# Altium PCB Van Battery Controller V1.PcbDoc (part 1 of 3) (continued)
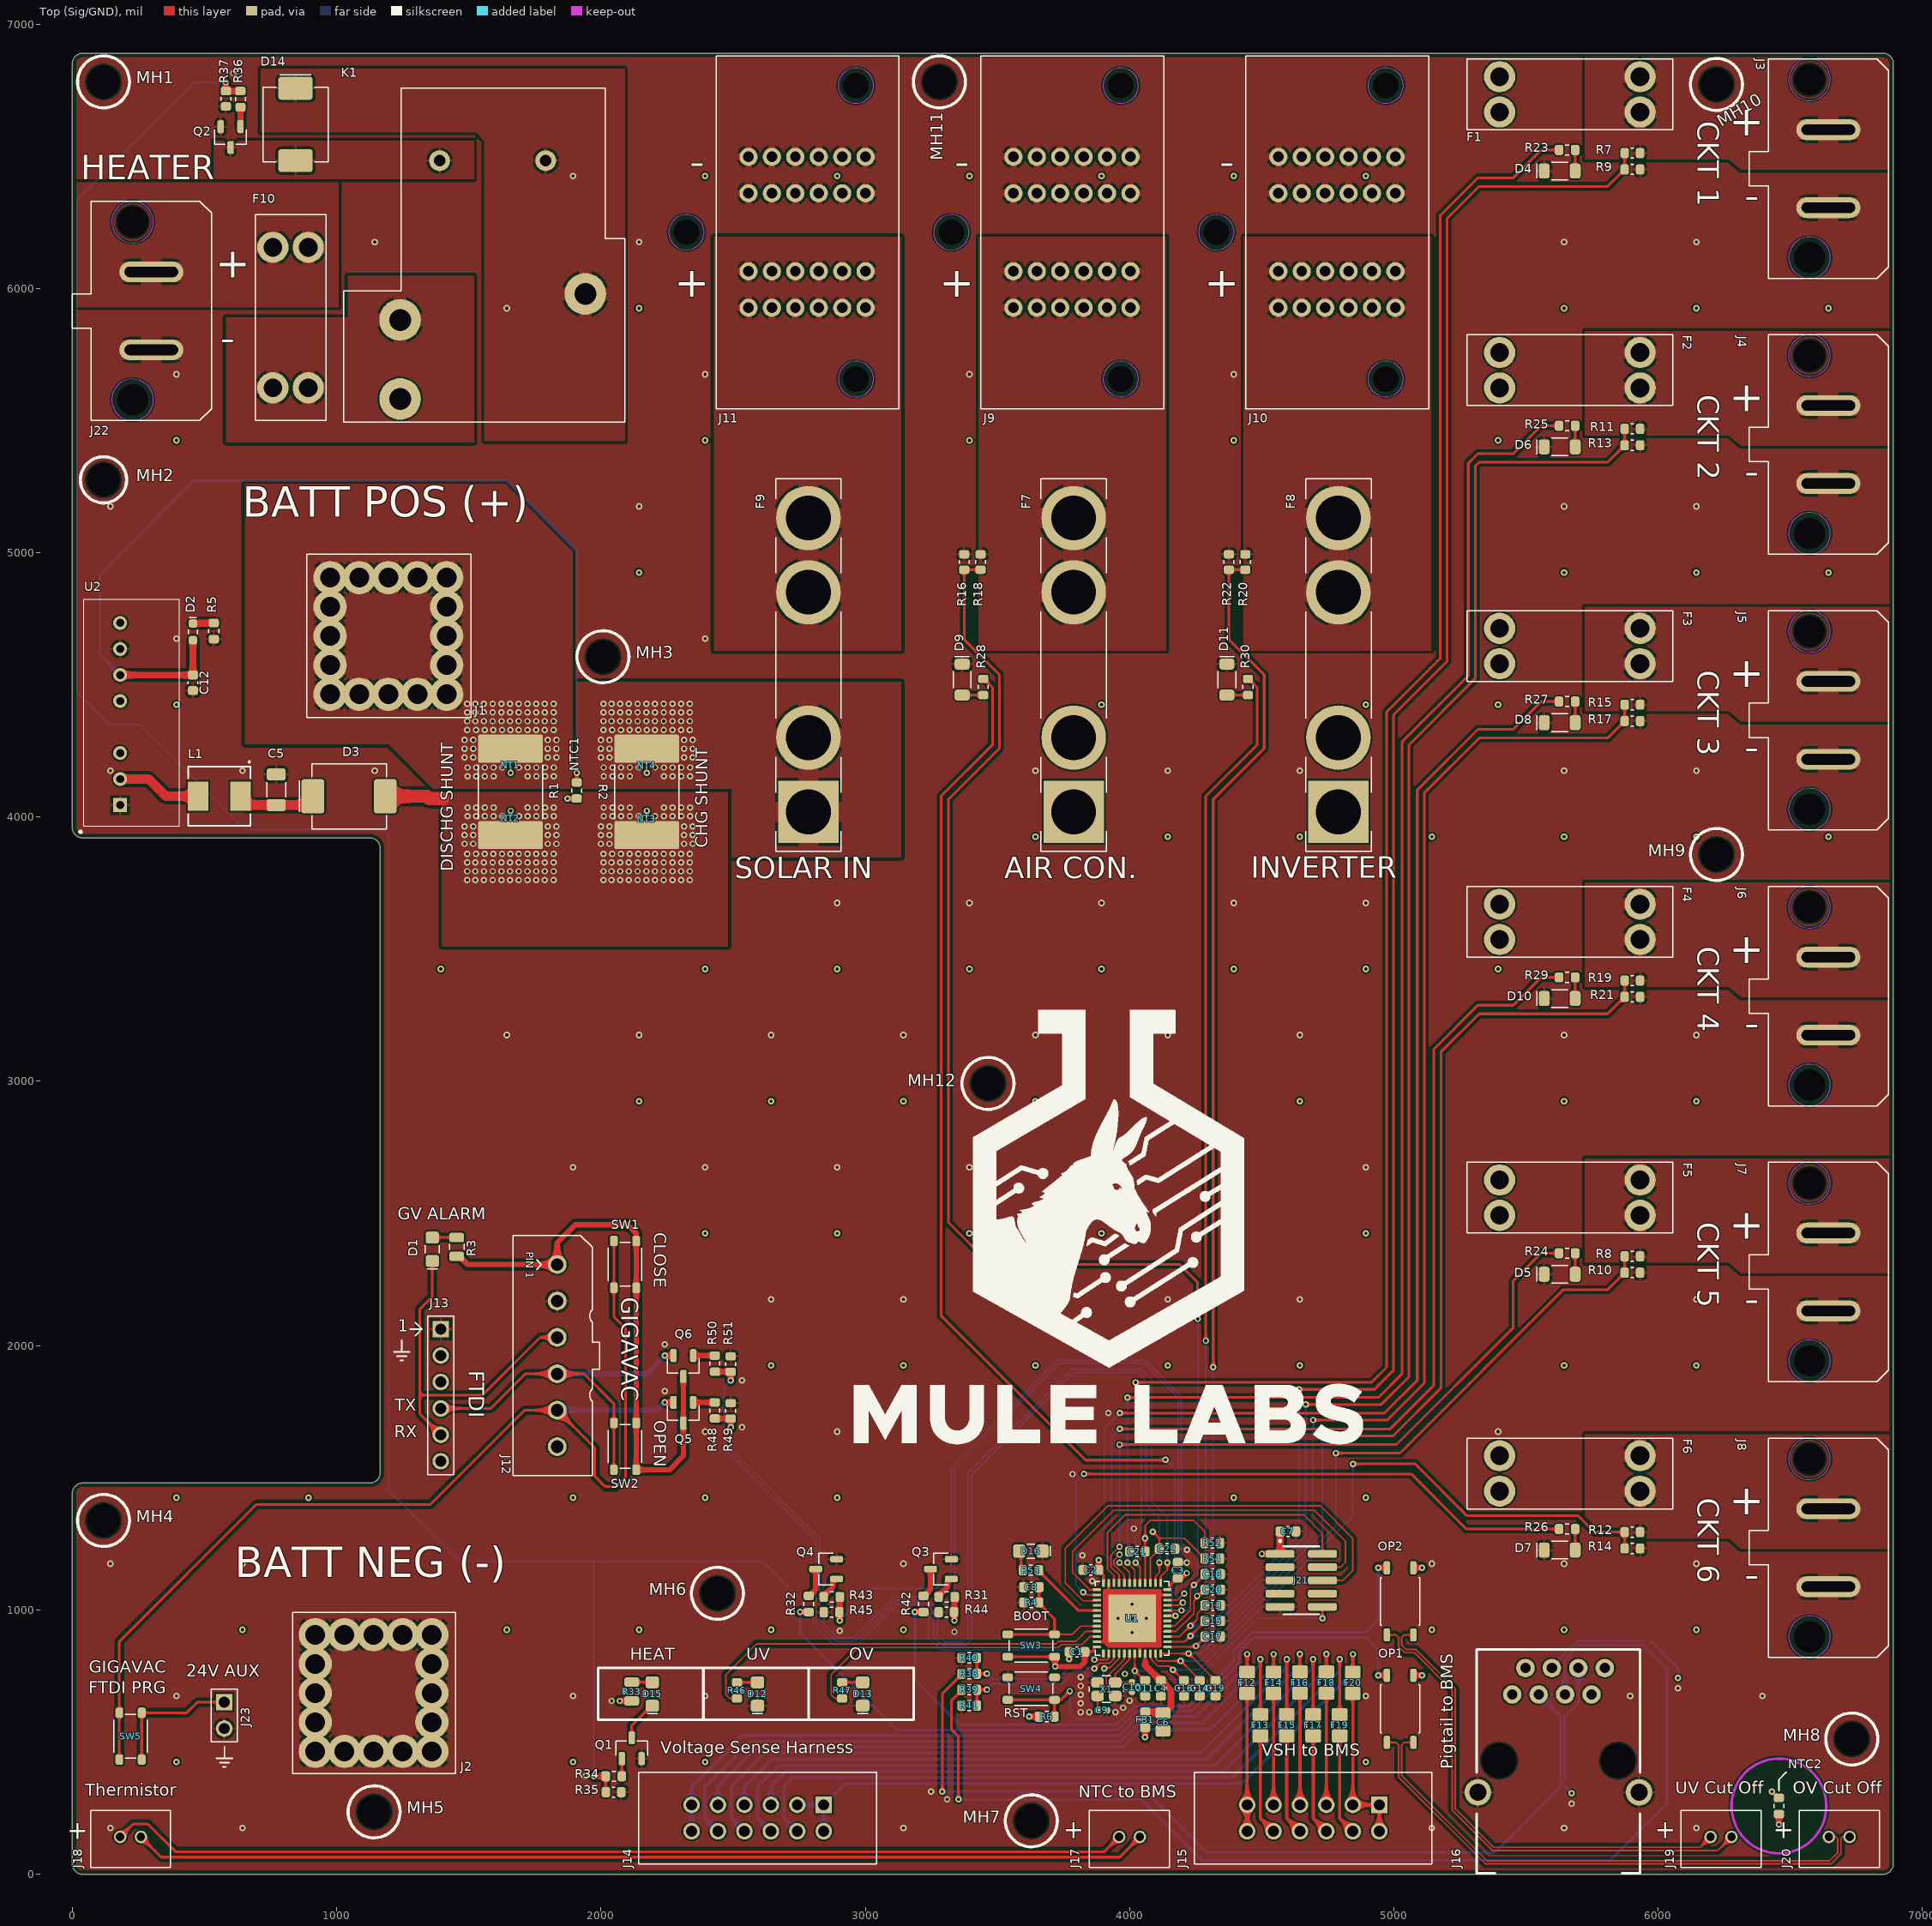
[diagram p0: Top (Sig/GND) view]
## Design rules (kind name [scope] priority, off if disabled: settings)
BoardOutlineClearance [Not OnSilkscreen] p1: gap=15 ignorepadtopadclearanceinfootprint=FALSE
Clearance Clearance_Inner [(OnLayer('Int1 (GND)')) OR  (OnLayer('Int2 (24V)')) OR  (OnLayer('Int3 (24V)')) OR  (OnLayer('Int4 (GND)')) OR  (OnLayer('Int5 (24V)')) OR  (OnLayer('Int6 (GND)'))] p1: gap=14 ignorepadtopadclearanceinfootprint=TRUE
Clearance [All] p2: gap=6 ignorepadtopadclearanceinfootprint=FALSE except(0: THPad-Hole Via-Hole Fill-Hole Region-Hole Text-Hole; 1: Arc-Arc Arc-SMDPad Arc-THPad Arc-Via Arc-Fill Arc-Text; 10: Arc-Hole Track-Hole SMDPad-Hole; 12: Track-Poly Poly-Poly)
DiffPairsRouting DIFF90 [InDifferentialPairClass('DIFF90')] p1: maxlimit=6 minlimit=6 mostfreqgap=6 toplayer_minwidth=6 toplayer_maxwidth=6 toplayer_prefwidth=6 midlayer1_minwidth=6 midlayer1_maxwidth=6 midlayer1_prefwidth=6 midlayer2_minwidth=6 midlayer2_maxwidth=6 midlayer2_prefwidth=6 midlayer3_minwidth=6 midlayer3_maxwidth=6 midlayer3_prefwidth=6 midlayer4_minwidth=6 midlayer4_maxwidth=6 midlayer4_prefwidth=6 midlayer5_minwidth=6 midlayer5_maxwidth=6 midlayer5_prefwidth=6 midlayer6_minwidth=6 midlayer6_maxwidth=6 midlayer6_prefwidth=6 bottomlayer_minwidth=6 bottomlayer_maxwidth=6 bottomlayer_prefwidth=6 maxuncoupledlength=250
DiffPairsRouting DIFF100 [InDifferentialPairClass('DIFF100')] p2: maxlimit=7 minlimit=6 mostfreqgap=7 toplayer_maxgap=6 toplayer_prefgap=6 toplayer_minwidth=6 toplayer_maxwidth=6 toplayer_prefwidth=6 midlayer1_mingap=7 midlayer1_minwidth=4 midlayer1_maxwidth=4 midlayer1_prefwidth=4 midlayer2_mingap=7 midlayer2_minwidth=4 midlayer2_maxwidth=4 midlayer2_prefwidth=4 midlayer3_mingap=7 midlayer3_minwidth=4 midlayer3_maxwidth=4 midlayer3_prefwidth=4 midlayer4_mingap=7 midlayer4_minwidth=4 midlayer4_maxwidth=4 midlayer4_prefwidth=4 midlayer5_mingap=7 midlayer5_minwidth=4 midlayer5_maxwidth=4 midlayer5_prefwidth=4 midlayer6_mingap=7 midlayer6_minwidth=4 midlayer6_maxwidth=4 midlayer6_prefwidth=4 bottomlayer_maxgap=6 bottomlayer_prefgap=6 bottomlayer_minwidth=6 bottomlayer_maxwidth=6 bottomlayer_prefwidth=6 maxuncoupledlength=250
DiffPairsRouting [All] p3: maxlimit=15 minlimit=4 mostfreqgap=6 toplayer_minwidth=4 toplayer_maxwidth=15 toplayer_prefwidth=6 midlayer1_minwidth=4 midlayer1_maxwidth=15 midlayer1_prefwidth=6 midlayer2_minwidth=4 midlayer2_maxwidth=15 midlayer2_prefwidth=6 midlayer3_minwidth=4 midlayer3_maxwidth=15 midlayer3_prefwidth=6 midlayer4_minwidth=4 midlayer4_maxwidth=15 midlayer4_prefwidth=6 midlayer5_minwidth=4 midlayer5_maxwidth=15 midlayer5_prefwidth=6 midlayer6_minwidth=4 midlayer6_maxwidth=15 midlayer6_prefwidth=6 bottomlayer_minwidth=4 bottomlayer_maxwidth=15 bottomlayer_prefwidth=6 maxuncoupledlength=500
Height [All] p1: minheight=0 maxheight=2000 prefheight=500
HoleSize [All] p1: absolutevalues=TRUE maxlimit=1000 minlimit=1 maxpercent=80.000 minpercent=20.000
HoleToHoleClearance [All] p1: gap=6 allowstackedmicrovias=TRUE
MatchedLengths MatchedLengths_CSI_2 [InNetClass('CSI_2')] p1: tolerance=5 checknetsindiffpair=FALSE checkdiffpairvsdiffpair=TRUE checkxsignals=TRUE checkothers=TRUE
MatchedLengths MatchedLengths_CSI_1 [InNetClass('CSI_1')] p2: tolerance=5 checknetsindiffpair=FALSE checkdiffpairvsdiffpair=TRUE checkxsignals=TRUE checkothers=TRUE
MaxMinImpedance "USB3 IMPEDANCE" [InNetClass('USB3')] p1: minimum=81.00 maximum=99.00
MaxMinImpedance "USB2 IMPEDANCE" [InNetClass('USB2')] p2: minimum=81.00 maximum=99.00
MaxMinImpedance "ETH IMPEDANCE" [InNetClass('ETH')] p3: minimum=90.00 maximum=110.0
MaxMinImpedance "SATA IMPEDANCE" [InNetClass('mSATA')] p4: minimum=90.00 maximum=110.0
MinimumSolderMaskSliver [All] p1: minsoldermaskwidth=4
NetAntennae [All] p1: netantennaetolerance=1000
PlaneClearance [All] p1: clearance=10
PlaneConnect [All] p1: planeconnectstyle=Direct reliefexpansion=20 reliefentries=4 reliefconductorwidth=10 reliefairgap=10
PolygonConnect PolygonConnect_GndVia [(InNet('GND') OR InNet('24V_HEATER_FUSED') OR InNet('VBATT_24V') OR InNet('VBUS_24V') OR InNet('3V3')  OR InNet('3V3A')  OR InNet('24V_AUX') OR InNet('netf9_1')) and IsVia] p1: connectstyle=Direct reliefconductorwidth=10 reliefentries=4 polygonreliefangle="90 Angle" airgapwidth=10
PolygonConnect [All] p2: connectstyle=Relief reliefconductorwidth=10 reliefentries=4 polygonreliefangle="90 Angle" airgapwidth=10
RoutingVias DIFF_VIAS [InDifferentialPairClass('All Differential Pairs')] p1: holewidth=7.87 width=11.81 viastyle="Through Hole" minholewidth=7.87 minwidth=11.81 maxholewidth=7.87 maxwidth=11.81
RoutingVias [All] p2: holewidth=28 width=50 viastyle="Through Hole" minholewidth=28 minwidth=50 maxholewidth=28 maxwidth=50
SilkToSilkClearance [All] p1: silktosilkclearance=4
SilkToSolderMaskClearance [IsPad] p1: minsilkscreentomaskgap=1 clearancetoexposedcopper=TRUE
SolderMaskExpansion [All] p1: expansion=4 istentingtop=FALSE
Width [All] p1: maxlimit=400 minlimit=4 preferedwidth=14 toplayer_prefwidth=6 midlayer1_minwidth=14 midlayer2_minwidth=14 midlayer3_minwidth=14 midlayer4_minwidth=14 midlayer5_minwidth=14 midlayer6_minwidth=14 bottomlayer_prefwidth=6 minimp=50.000000 maximp=50.000000 favimp=50.000000
20 further rules are at their usual default settings.

## Classes and differential pairs
differential pair DSCHG_SHNT: +DSCHG_SHNT_P -DSCHG_SHNT_N
differential pair CHG_SHNT: +CHG_SHNT_P -CHG_SHNT_N
differential pair OSC: +OSC_P -OSC_N

## Components (designator, comment, footprint, x,y, rotation, side; value= is the part's Value field where it differs from the comment)
C1 "100nF" "INCH 0603 - METRIC 1608 - H090" 3800.98,841.34 r0 top
C2 "100nF" "INCH 0603 - METRIC 1608 - H090" 3853.19,1151.55 r0 top
C3 "100nF" "INCH 0603 - METRIC 1608 - H090" 4182.87,1150.4 r270 top
C4 "100nF" "INCH 0603 - METRIC 1608 - H090" 4118.6,703.53 r90 top
C5 "10uF" "INCH 1206 - METRIC 3216 - H180" 771.46,4103.19 r270 top
C6 "4.7uF" "INCH 0805 - METRIC 2012 - H145" 4126.28,575.98 r90 top
C7 "100nF" "INCH 0603 - METRIC 1608 - H090" 4599.1,1297.05 r180 top
C8 "100nF" "INCH 0603 - METRIC 1608 - H090" 3628.14,1086.21 r0 top
C9 "6.8pF" "INCH 0402 - METRIC 1005 - H055" 3896.7,620.63 r180 top
C10 "6.8pF" "INCH 0402 - METRIC 1005 - H055" 4009.15,708.44 r90 top
C11 "100nF" "INCH 0603 - METRIC 1608 - H090" 4058.86,703.53 r90 top
C12 "100nF" "INCH 0603 - METRIC 1608 - H090" 456.5,4507.72 r90 top
C13 "10nF" "INCH 0603 - METRIC 1608 - H087" 4314.76,1017.52 r180 top
C14 "10nF" "INCH 0603 - METRIC 1608 - H087" 4265.52,703.53 r90 top
C15 "10nF" "INCH 0603 - METRIC 1608 - H087" 4314.76,958.46 r180 top
C16 "10nF" "INCH 0603 - METRIC 1608 - H087" 4205.78,703.53 r90 top
C17 "10nF" "INCH 0603 - METRIC 1608 - H087" 4314.76,899.41 r180 top
C18 "10nF" "INCH 0603 - METRIC 1608 - H087" 4314.76,1135.63 r180 top
C19 "10nF" "INCH 0603 - METRIC 1608 - H087" 4325.27,703.53 r90 top
C20 "10nF" "INCH 0603 - METRIC 1608 - H087" 4314.76,1076.57 r180 top
C21 "100nF" "INCH 0603 - METRIC 1608 - H090" 4029.33,1221.02 r0 top
C22 "100nF" "INCH 0603 - METRIC 1608 - H090" 4142.27,1231.38 r180 top
D1 "LTST-C171GKT" "LED - 0805 - GREEN" 1362.01,2364.57 r90 top
D2 "LGL29K-F2J1-24-Z" "LED - 0603 - GREEN" 456.5,4700.59 r270 top
D3 "MBRS340" "D0-214AB SMC - L" 1047.05,4078.54 r0 top
D4 "Red" "LED - 1206 - RED" 5627.16,6444.05 r0 top
D5 "Red" "LED - 1206 - RED" 5627.16,2270.03 r0 top
D6 "Red" "LED - 1206 - RED" 5627.16,5400.55 r0 top
D7 "Red" "LED - 1206 - RED" 5627.16,1226.53 r0 top
D8 "Red" "LED - 1206 - RED" 5627.16,4357.04 r0 top
D9 "Red" "LED - 1206 - RED" 3366.49,4519.92 r270 top
D10 "Red" "LED - 1206 - RED" 5627.16,3313.54 r0 top
D11 "Red" "LED - 1206 - RED" 4368.1,4519.92 r270 top
D12 "LTST-C171GKT" "LED - 0805 - GREEN" 2592.25,681.92 r90 top
D13 "LTST-C171GKT" "LED - 0805 - GREEN" 2990.25,681.92 r90 top
D14 "MBRS340" "D0-214AB SMC - L" 844.29,6620.08 r270 top
D15 "LTST-C171GKT" "LED - 0805 - GREEN" 2194.25,681.92 r90 top
D16 "LTST-C171GKT" "LED - 0805 - GREEN" 3626.59,1222.65 r180 top
F1 "3557-2" KEYSTONE_3557-2 5665.69,6733.9 r0 top
F2 "3557-2" KEYSTONE_3557-2 5665.69,5690.39 r0 top
F3 "3557-2" KEYSTONE_3557-2 5665.69,4646.89 r0 top
F4 "3557-2" KEYSTONE_3557-2 5665.69,3603.38 r0 top
F5 "3557-2" KEYSTONE_3557-2 5665.69,2559.87 r0 top
F6 "3557-2" KEYSTONE_3557-2 5665.69,1516.37 r0 top
F7 "3555-2" KEYSTONE_3555-2 3788.48,4575.36 r90 top
F8 "3555-2" KEYSTONE_3555-2 4790.08,4575.36 r90 top
F9 "3555-2" KEYSTONE_3555-2 2784.93,4575.36 r90 top
F10 "3557-2" KEYSTONE_3557-2 825.79,5889.57 r90 top
F12 "MFU0805FF02000P500" FUSC0805x45 4444.45,725.84 r90 top
F13 "MFU0805FF02000P500" FUSC0805x45 4494.57,564.93 r90 top
F14 "MFU0805FF02000P500" FUSC0805x45 4544.45,725.84 r90 top
F15 "MFU0805FF02000P500" FUSC0805x45 4594.57,564.93 r90 top
F16 "MFU0805FF02000P500" FUSC0805x45 4644.21,726.08 r90 top
F17 "MFU0805FF02000P500" FUSC0805x45 4694.26,564.93 r90 top
F18 "MFU0805FF02000P500" FUSC0805x45 4744.21,726.08 r90 top
F19 "MFU0805FF02000P500" FUSC0805x45 4794.57,564.93 r90 top
F20 "MFU0805FF02000P500" FUSC0805x45 4844.45,725.84 r90 top
FB1 "220R" "INCH 0603 - METRIC 1608 - H100" 4058.86,584.65 r90 top
J1 "S98630" WURTH_S98630 1195.87,4685.04 r0 top
J2 "S98630" WURTH_S98630 1139.79,685.64 r0 top
J3 "172042-0201" MOLEX_1720420201 6643.63,6452.79 r270 top
J4 "172042-0201" MOLEX_1720420201 6643.63,5409.29 r270 top
J5 "172042-0201" MOLEX_1720420201 6643.63,4365.78 r270 top
J6 "172042-0201" MOLEX_1720420201 6643.63,3322.28 r270 top
J7 "172042-0201" MOLEX_1720420201 6643.63,2278.77 r270 top
J8 "172042-0201" MOLEX_1720420201 6643.63,1235.27 r270 top
J9 "151053-0002" MOLEX_151053-0002 3783.56,6212.16 r90 top
J10 "151053-0002" MOLEX_151053-0002 4785.83,6212.16 r90 top
J11 "151053-0002" MOLEX_151053-0002 2781.3,6212.16 r90 top
J12 "0532580629" MOLEX_532580629 1817.52,1962.4 r270 top
J13 "61300611121" WURTH_61300611121 1394.13,2062.4 r270 top
J14 "BHR-12-VUA" SHDRV12W64P254_6X2_2284X880H880 2842.84,262.61 r180 top
J15 "BHR-12-VUA" SHDRV12W64P254_6X2_2284X880H880 4944.68,262.61 r180 top
J16 "5406295-1" TE_5406295-1 5622.73,430.27 r0 top
J17 "35362-0250" MOLEX_35362 3999.8,133.66 r180 top
J18 "35362-0250" MOLEX_35362 220.28,133.66 r180 top
J19 "35362-0250" MOLEX_35362 6237.81,133.66 r180 top
J20 "35362-0250" MOLEX_35362 6684.82,133.66 r180 top
J21 "FTSH-105-01-F-DV-K" SAMTEC_FTSH-105-01-F-DV-K-P-TR 4649.58,1111.94 r270 top
J22 "172042-0201" MOLEX_1720420201 299.02,5914.76 r270 top
J23 "61300211121" WURTH_61300211121 574.61,651.18 r270 top
K1 "J115F11A24VDCS6.9" CIT_J115F11A24VDCS6_9 1558.86,6125.79 r180 top
L1 "10uH" VISHAY_IHLP2020BZER100M01 556.24,4078.54 r180 top
NT1 "2 way net tie junction" 2way_LP#1 1658.15,4195.9 r90 top net-tie
NT2 "2 way net tie junction" 2way_LP#2 1658.15,3994.98 r270 top net-tie
NT3 "2 way net tie junction" 2way_LP#1 2173.1,3994.14 r270 top net-tie
NT4 "2 way net tie junction" 2way_LP#1 2173.1,4195.06 r90 top net-tie
NT5 "2 way net tie junction" 2way_LP#3 5646.59,346.04 r270 bottom net-tie
NT6 "2 way net tie junction" 2way_LP#3 5957.7,882.93 r0 bottom net-tie
NTC1 "10kR" "INCH 0603 - METRIC 1608 - H055N" 1908.52,4100.32 r90 top
NTC2 "10kR" "INCH 0603 - METRIC 1608 - H055N" 6456.69,258.37 r270 top
OP1 "141355145000" SOT23-4P127_700X210L50X40N 5023.42,625.88 r180 top
OP2 "141355145000" SOT23-4P127_700X210L50X40N 5023.42,1032.5 r180 top
Q1 "SI2356DS-T1-GE3" SOT23-3P95_237X112L50X42N 2116.5,476.95 r0 top
Q2 "SI2356DS-T1-GE3" SOT23-3P95_237X112L50X42N 598.92,6572.37 r180 top
Q3 "SI2356DS-T1-GE3" SOT23-3P95_237X112L50X42N 3286.24,1154.76 r90 top
Q4 "SI2356DS-T1-GE3" SOT23-3P95_237X112L50X42N 2852.09,1154.76 r90 top
Q5 "SI2356DS-T1-GE3" SOT23-3P95_237X112L50X42N 2311.81,1745.87 r180 top
Q6 "SI2356DS-T1-GE3" SOT23-3P95_237X112L50X42N 2311.81,1923.03 r180 top
R1 "300uR" VISHAY_3920 1657.9,4095.02 r90 top
R2 "300uR" VISHAY_3920 2173.35,4095.02 r90 top
R3 "4.02kR" "INCH 0805 - METRIC 2012 - H065" 1454.17,2373.35 r90 top
R4 "10kR" "INCH 0603 - METRIC 1508 - H050" 3628.14,1028.14 r180 top
R5 "100R" "INCH 0603 - METRIC 1608 - H055" 535.24,4703.58 r270 top
R6 "10kR" "INCH 0603 - METRIC 1508 - H050" 3686.8,596.52 r0 top
R7 "10kR" "INCH 0603 - METRIC 1508 - H050" 5902.3,6511.97 r0 top
R8 "10kR" "INCH 0603 - METRIC 1508 - H050" 5902.3,2337.95 r0 top
R9 "1kR" "INCH 0603 - METRIC 1508 - H050" 5902.3,6449.96 r180 top
R10 "1kR" "INCH 0603 - METRIC 1508 - H050" 5902.3,2275.94 r180 top
R11 "10kR" "INCH 0603 - METRIC 1508 - H050" 5902.3,5468.46 r0 top
R12 "10kR" "INCH 0603 - METRIC 1508 - H050" 5902.3,1294.44 r0 top
R13 "1kR" "INCH 0603 - METRIC 1508 - H050" 5902.3,5406.45 r180 top
R14 "1kR" "INCH 0603 - METRIC 1508 - H050" 5902.3,1232.43 r180 top
R15 "10kR" "INCH 0603 - METRIC 1508 - H050" 5902.3,4424.96 r0 top
R16 "10kR" "INCH 0603 - METRIC 1508 - H050" 3436.19,4964.76 r90 top
R17 "1kR" "INCH 0603 - METRIC 1508 - H050" 5902.3,4362.95 r180 top
R18 "1kR" "INCH 0603 - METRIC 1508 - H050" 3374.18,4964.76 r270 top
R19 "10kR" "INCH 0603 - METRIC 1508 - H050" 5902.3,3381.45 r0 top
R20 "10kR" "INCH 0603 - METRIC 1508 - H050" 4437.79,4964.76 r90 top
R21 "1kR" "INCH 0603 - METRIC 1508 - H050" 5902.3,3319.44 r180 top
R22 "1kR" "INCH 0603 - METRIC 1508 - H050" 4375.79,4964.76 r270 top
R23 "220R" "INCH 0603 - METRIC 1608 - H055" 5655.31,6523.78 r0 top
R24 "220R" "INCH 0603 - METRIC 1608 - H055" 5655.31,2349.76 r0 top
R25 "220R" "INCH 0603 - METRIC 1608 - H055" 5655.31,5480.27 r0 top
R26 "220R" "INCH 0603 - METRIC 1608 - H055" 5655.31,1306.25 r0 top
R27 "220R" "INCH 0603 - METRIC 1608 - H055" 5655.31,4436.77 r0 top
R28 "220R" "INCH 0603 - METRIC 1608 - H055" 3446.21,4491.77 r270 top
R29 "220R" "INCH 0603 - METRIC 1608 - H055" 5655.31,3393.26 r0 top
R30 "220R" "INCH 0603 - METRIC 1608 - H055" 4447.82,4491.77 r270 top
R31 "220R" "INCH 0603 - METRIC 1608 - H055" 3220.29,1022.87 r270 top
R32 "220R" "INCH 0603 - METRIC 1608 - H055" 2786.15,1022.87 r270 top
R33 "2kR" "INCH 0805 - METRIC 2012 - H065" 2116.5,691.57 r90 top
R34 "100R" "INCH 0603 - METRIC 1608 - H055" 2048.58,370.87 r0 top
R35 "10kR" "INCH 0603 - METRIC 1508 - H050" 2047.64,310.83 r0 top
R36 "100R" "INCH 0603 - METRIC 1608 - H055" 636.32,6716.07 r270 top
R37 "10kR" "INCH 0603 - METRIC 1508 - H050" 581.05,6717.45 r270 top
R38 "10kR" "INCH 0603 - METRIC 1508 - H050" 3393.5,758.62 r180 top
R39 "10kR" "INCH 0603 - METRIC 1508 - H050" 3393.5,698.36 r180 top
R40 "1kR" "INCH 0603 - METRIC 1508 - H050" 3393.5,818.87 r0 top
R41 "1kR" "INCH 0603 - METRIC 1508 - H050" 3393.5,638.11 r0 top
R42 "100R" "INCH 0603 - METRIC 1608 - H055" 3307.89,1049.44 r180 top
R43 "100R" "INCH 0603 - METRIC 1608 - H055" 2873.75,1049.44 r180 top
R44 "10kR" "INCH 0603 - METRIC 1508 - H050" 3306.91,991.37 r0 top
R45 "10kR" "INCH 0603 - METRIC 1508 - H050" 2872.76,991.37 r0 top
R46 "220R" "INCH 0603 - METRIC 1608 - H055" 2514.5,695.7 r90 top
R47 "220R" "INCH 0603 - METRIC 1608 - H055" 2912.5,695.7 r90 top
R48 "100R" "INCH 0603 - METRIC 1608 - H055" 2431.03,1754.72 r90 top
R49 "10kR" "INCH 0603 - METRIC 1508 - H050" 2490.94,1753.15 r270 top
R50 "100R" "INCH 0603 - METRIC 1608 - H055" 2431.03,1931.88 r90 top
R51 "10kR" "INCH 0603 - METRIC 1508 - H050" 2490.94,1930.31 r270 top
R52 "10kR" "INCH 0603 - METRIC 1508 - H050" 4313.19,1253.18 r180 top
R53 "220R" "INCH 0603 - METRIC 1608 - H055" 3626.76,1150.19 r180 top
R54 "10kR" "INCH 0603 - METRIC 1508 - H050" 4313.19,1194.45 r180 top
SW1 "TL3365AF180QG" ESWITCH_TL3365AF180QG 2091.14,2307.31 r90 top
SW2 "TL3365AF180QG" ESWITCH_TL3365AF180QG 2091.14,1618.75 r90 top
SW3 "TL3365AF180QG" ESWITCH_TL3365AF180QG 3627.6,865.22 r180 top
SW4 "TL3365AF180QG" ESWITCH_TL3365AF180QG 3627.6,702.39 r180 top
SW5 "TL3365AF180QG" ESWITCH_TL3365AF180QG 220.28,522.5 r90 top
U1 "STM32L152C8U6A" QFN49P50_700X700X60L40X25T560N 4009.65,968.31 r0 top
U2 "SPBW06F-03" SPBW06F-03 180.91,4438.82 r90 top
X1 "NX2520SA-24.000000MHZ" NX2520SA-24MHZ 3912.25,700.17 r0 top

## Footprints (in the part's own frame and the unit in brackets; to place one, negate y for a bottom-side part, rotate by r counter-clockwise, add the part's x,y. Pads: shape width x height; smd on the part's side, far side on the other; paste and mask are expansions set on the pad)
2way_LP#1 [mil] "2 way low power net tie junction"
  rrect5% 20x6 smd paste-100 mask+4: 1(-14,0) 2(14,0)
2way_LP#2 [mil] "2 way low power net tie junction"
  rrect5% 20x6 smd paste-100 mask+4: 1(-14,0)
  rrect5% 20x6 smd paste+0 mask+4: 2(14,0)
2way_LP#3 [mil] "2 way low power net tie junction"
  rrect5% 20x10 smd paste-100 mask+4: 1(-14,0) 2(14,0)
CIT_J115F11A24VDCS6_9 [mm] "Relay; 5 pin, 27.00 mm L X 32.05 mm W X 20.00 mm H body"
  round 2 hole 1.1 paste-1.65: 1(-5.9,-9.075) 2(4.3,-9.075)
  round 4 hole 2.1 paste-3.15: 3(-9.7,3.725) 4(8.1,6.225) 5(8.1,13.825)
  silkscreen extent -13.5,-16.03 13.5,16.03, body extent -13.5,-16.02 13.5,16.02, height 20
"D0-214AB SMC - L" [mm] "Diode, Molded Body; 6.875 mm L X 5.90 mm W X 2.65 mm H body"
  rrect23% 2.2x3.28 smd paste+0 mask+0: 1(-3.48,0) 2(3.48,0)
  silkscreen extent -4.76,-3.13 3.58,3.13, body extent -3.98,-2.95 3.98,2.95, height 2.65
ESWITCH_TL3365AF180QG [mm] "Switch, Tactile; 4 pin, 4.20 mm L X 3.20 mm W X 1.55 mm H body"
  rrect51% 1x0.75 smd paste+0 mask+0: 1(-2.25,-1.075) 2(2.25,-1.075) 3(-2.25,1.075) 4(2.25,1.075)
  silkscreen extent -2.1,-1.6 2.1,1.6, body extent -2.25,-1.6 2.25,1.6, height 2.5
FUSC0805x45 [mm] "Fuse, Chip; 2.00mm L x 1.25mm W x 0.45mm H"
  rrect22% 1.25x1.5 smd mask+0: 1(0.996,-0.006) 2(-1.054,-0.006)
  silkscreen extent -0.25,-0.64 0.25,0.64, body extent -1.05,-0.67 1.05,0.67, height 1.25
"INCH 0402 - METRIC 1005 - H055" [mm] "Capacitor, Chip; 1.00 mm L X 0.50 mm W X 0.55 mm H body"
  rrect52% 0.59x0.58 smd paste+0 mask+0: 1(-0.455,0) 2(0.455,0)
  body extent -0.53,-0.28 0.53,0.28, height 0.55
"INCH 0603 - METRIC 1508 - H050" [mm] "Resistor, Chip; 1.575 mm L X 0.85 mm W X 0.50 mm H body"
  rrect49% 0.81x0.98 smd paste+0 mask+0: 1(-0.74,0) 2(0.74,0)
  silkscreen extent -0.16,-0.48 0.16,0.48, body extent -0.79,-0.43 0.79,0.43, height 0.5
"INCH 0603 - METRIC 1608 - H055" [mm] "Resistor, Chip; 1.60 mm L X 0.85 mm W X 0.55 mm H body"
  rrect51% 0.82x0.98 smd paste+0 mask+0: 1(-0.775,0) 2(0.775,0)
  silkscreen extent -0.19,-0.48 0.19,0.48, body extent -0.8,-0.43 0.8,0.43, height 0.55
"INCH 0603 - METRIC 1608 - H055N" [mm] "Thermistor, Chip; 1.60 mm L X 0.85 mm W X 0.55 mm H body"
  rrect51% 0.82x0.98 smd paste+0 mask+0: 1(-0.775,0) 2(0.775,0)
  silkscreen extent -0.19,-0.48 0.19,0.48, body extent -0.8,-0.43 0.8,0.43, height 0.55
"INCH 0603 - METRIC 1608 - H087" [mm] "Capacitor, Chip; 1.60 mm L X 0.80 mm W X 0.87 mm H body"
  rrect51% 0.87x0.97 smd paste+0 mask+0: 1(-0.75,0) 2(0.75,0)
  silkscreen extent -0.14,-0.48 0.14,0.48, body extent -0.87,-0.48 0.87,0.48, height 0.87
"INCH 0603 - METRIC 1608 - H090" [mm] "Capacitor, Chip; 1.60 mm L X 0.80 mm W X 0.90 mm H body"
  rrect51% 0.87x0.97 smd paste+0 mask+0: 1(-0.75,0) 2(0.75,0)
  silkscreen extent -0.14,-0.48 0.14,0.48, body extent -0.87,-0.48 0.87,0.48, height 0.9
"INCH 0603 - METRIC 1608 - H100" [mm] "Inductor, Chip; 1.60 mm L X 0.80 mm W X 1.00 mm H body"
  rrect50% 0.88x0.97 smd paste+0 mask+0: 1(-0.745,0) 2(0.745,0)
  silkscreen extent -0.13,-0.48 0.13,0.48, body extent -0.8,-0.4 0.8,0.4, height 1
"INCH 0805 - METRIC 2012 - H065" [mm] "Resistor, Chip; 2.00 mm L X 1.275 mm W X 0.65 mm H body"
  rrect50% 0.92x1.42 smd paste+0 mask+0: 1(-0.905,0) 2(0.905,0)
  silkscreen extent -0.27,-0.7 0.27,0.7, body extent -1,-0.64 1,0.64, height 0.65
"INCH 0805 - METRIC 2012 - H145" [mm] "Capacitor, Chip; 2.00 mm L X 1.25 mm W X 1.45 mm H body"
  rrect45% 1.11x1.47 smd paste+0 mask+0: 1(-0.85,0) 2(0.85,0)
  body extent -1.1,-0.72 1.1,0.72, height 1.45
"INCH 1206 - METRIC 3216 - H180" [mm] "Capacitor, Chip; 3.20 mm L X 1.60 mm W X 1.80 mm H body"
  rrect43% 1.16x1.82 smd paste+0 mask+0: 1(-1.475,0) 2(1.475,0)
  silkscreen extent -0.71,-0.9 0.71,0.9, body extent -1.7,-0.9 1.7,0.9, height 1.8
KEYSTONE_3555-2 [mm] "Fuse Holder; 4 pin, 35.80 mm L X 5.90 mm W X 11.30 mm H body"
  rect 6x5.8 hole 4.3 paste-5.85: 1(-14.115,0)
  round 6.2 hole 4.3 paste-5.85: 2(-6.985,0) 3(6.985,0) 4(14.115,0)
  silkscreen extent -17.9,-3.15 17.9,3.15, body extent -17.91,-4.7 17.91,4.19, height 11.3
KEYSTONE_3557-2 [mm] "Fuse Holder; 4 pin, 19.80 mm L X 6.80 mm W X 7.40 mm H body"
  round 3 hole 1.8 paste-2.8: 1(-6.75,1.7) 2(-6.75,-1.7) 3(6.75,-1.7) 4(6.75,1.7)
  silkscreen extent -9.9,-3.4 9.9,3.4, body extent -9.92,-3.34 9.89,3.39, height 10.2
"LED - 0603 - GREEN" [mm] "LED, Side Lead; 2 pin, 0.80 mm L X 1.60 mm W X 0.80 mm H body"
  rrect50% 0.8x0.8 smd paste+0 mask+0: A(0.8,0) C(-0.8,0)
  silkscreen extent -1.38,-0.45 0.22,0.45, body extent -0.8,-0.4 0.8,0.4, height 0.8
"LED - 0805 - GREEN" [mm] "LED, Side Lead; 2 pin, 1.25 mm L X 2.00 mm W X 0.80 mm H body"
  rrect43% 1.15x1.3 smd paste+0 mask+0: A(1.125,0) C(-1.125,0)
  silkscreen extent -1.88,-0.68 0.37,0.68, body extent -1,-0.63 1,0.63, height 0.8
"LED - 1206 - RED" [mm] "LED, Side Lead; 2 pin, 1.60 mm L X 3.20 mm W X 0.80 mm H body"
  rrect48% 1.05x1.45 smd paste+0 mask+0: A(1.49,0) C(-1.49,0)
  silkscreen extent -2.19,-0.85 0.78,0.85, body extent -1.6,-0.8 1.6,0.8, height 0.8
MOLEX_35362 [mm] "Connector, Vertical Plug; 2 pin, 7.70 mm L X 5.50 mm W X 8.50 mm H body"
  round 1.2 hole 0.8 paste-1.2: 1(-1,-0.2) 2(1,-0.2)
  silkscreen extent -3.85,-2.75 3.85,2.75, body extent -3.85,-2.8 3.85,2.75, height 8.55
MOLEX_151053-0002 [mm] "Connector, DC Power Jack Right Angle; 24 pin, 33.90 mm L X 17.55 mm W X 26.45 mm H body"
  round 1.75 hole 1.02 paste-1.75: 1(-7.25,5.665) 2(-3.75,5.665) 3(-7.25,3.415) 4(-3.75,3.415) 5(-7.25,1.165) 6(-3.75,1.165) 7(-7.25,-1.085) 8(-3.75,-1.085) 9(-7.25,-3.335) 10(-3.75,-3.335) 11(-7.25,-5.585) 12(-3.75,-5.585) 13(3.75,5.665) 14(7.25,5.665) 15(3.75,3.415) 16(7.25,3.415) 17(3.75,1.165) 18(7.25,1.165) 19(3.75,-1.085) 20(7.25,-1.085) 21(3.75,-3.335) 22(7.25,-3.335) 23(3.75,-5.585) 24(7.25,-5.585)
  round 1 hole 2.45 unplated paste-1 mask+0.725: MH(-14.1,-4.655) MH(0,11.625) MH(14.1,-4.655)
  Keep-Out Layer circle w0.025: c-14.1,-4.655 r1.7
  Keep-Out Layer circle w0.025: c14.1,-4.655 r1.7
  Keep-Out Layer circle w0.025: c0,11.625 r1.7
  silkscreen extent -16.95,-8.78 16.95,8.78, body extent -16.95,-8.77 16.95,14.48, height 23.62
MOLEX_532580629 [mm] "Connector, Vertical Receptacle; 6 pin, 23.10 mm L X 7.60 mm W X 10.50 mm H body"
  round 1.8 hole 1.2 paste-1.8: 1(-8.75,0.43) 2(-5.25,0.43) 3(-1.75,0.43) 4(1.75,0.43) 5(5.25,0.43) 6(8.75,0.43)
  silkscreen extent -11.55,-3.8 11.55,4.52, body extent -11.55,-3.8 11.55,4.45, height 10.55
MOLEX_1720420201 [mm] "Connector, Power Entry; 2 pin, 21.08 mm L X 11.53 mm W X 14.76 mm H body"
  rrect100% 2x6.15 hole 1 slot 5.15 at 90 deg paste-6.15: 1(-3.745,0) 2(3.745,0)
  round 1 hole 3 unplated paste-1 mask+1: 3(-8.545,-1.805) 4(8.545,-1.805)
  Keep-Out Layer circle w0.025: c8.545,-1.805 r2
  Keep-Out Layer circle w0.025: c-8.545,-1.805 r2
  silkscreen extent -10.54,-7.62 10.54,5.77, body extent -10.54,-7.61 10.54,5.78, height 14.91
NX2520SA-24MHZ [mm] "Oscillator, 0.098\"\" L x 0.079\"\" W (2.50mm x 2.00mm)"
  rrect51% 1.2x1 smd paste+0 mask+0: 1(-0.85,-0.65) 2(0.85,-0.65) 3(0.85,0.65) 4(-0.85,0.65)
  silkscreen extent -1.65,-1.27 1.65,1.27, body extent -1.35,-1.05 1.35,1.05, height 0.75
QFN49P50_700X700X60L40X25T560N [mm] "Quad Flat No-Lead (QFN with Tab), 0.50 mm pitch; square, 12 pin X 12 pin, 7.00 mm L X 7.00 mm W X 0.60 mm H body"
  rrect52% 0.27x0.76 smd: 1(-2.75,-3.385) 2(-2.25,-3.385) 3(-1.75,-3.385) 4(-1.25,-3.385) 5(-0.75,-3.385) 6(-0.25,-3.385) 7(0.25,-3.385) 8(0.75,-3.385) 9(1.25,-3.385) 10(1.75,-3.385) 11(2.25,-3.385) 12(2.75,-3.385) 25(2.75,3.385) 26(2.25,3.385) 27(1.75,3.385) 28(1.25,3.385) 29(0.75,3.385) 30(0.25,3.385) 31(-0.25,3.385) 32(-0.75,3.385) 33(-1.25,3.385) 34(-1.75,3.385) 35(-2.25,3.385) 36(-2.75,3.385)
  rrect52% 0.76x0.27 smd: 13(3.385,-2.75) 14(3.385,-2.25) 15(3.385,-1.75) 16(3.385,-1.25) 17(3.385,-0.75) 18(3.385,-0.25) 19(3.385,0.25) 20(3.385,0.75) 21(3.385,1.25) 22(3.385,1.75) 23(3.385,2.25) 24(3.385,2.75) 37(-3.385,2.75) 38(-3.385,2.25) 39(-3.385,1.75) 40(-3.385,1.25) 41(-3.385,0.75) 42(-3.385,0.25) 43(-3.385,-0.25) 44(-3.385,-0.75) 45(-3.385,-1.25) 46(-3.385,-1.75) 47(-3.385,-2.25) 48(-3.385,-2.75)
  rect 4.6x4.6 smd paste-4.6 mask-4.6: 49(0,0)
  Top (Sig/GND) region: 2.8,-2.65 2.798,-2.673 2.793,-2.696 2.784,-2.718 2.771,-2.738 2.756,-2.756 2.738,-2.771 2.718,-2.784 2.696,-2.793 2.673,-2.798 -2.3,-2.8 -2.8,-2.3 -2.8,2.65 -2.798,2.673 -2.793,2.696 -2.784,2.718 -2.771,2.738 -2.756,2.756 -2.738,2.771 -2.718,2.784 -2.696,2.793 -2.673,2.798 2.65,2.8 2.673,2.798 2.696,2.793 2.718,2.784 2.738,2.771 2.756,2.756 2.771,2.738 2.784,2.718 2.793,2.696 2.798,2.673 2.8,2.65
  silkscreen extent -3.55,-3.64 3.55,3.55, body extent -3.55,-3.55 3.55,3.55, height 0.6
SAMTEC_FTSH-105-01-F-DV-K-P-TR [mm] "CONN EDGE DUAL FMALE 140P VERT"
  rrect50% 0.74x2.79 smd: 1(-2.54,-2.035) 2(-2.54,2.035) 3(-1.27,-2.035) 4(-1.27,2.035) 5(0,-2.035) 6(0,2.035) 7(1.27,-2.035) 8(1.27,2.035) 9(2.54,-2.035) 10(2.54,2.035)
  silkscreen extent -3.89,-2.13 3.26,1.72, body extent -3.17,-4.42 3.18,2.95, height 6.99
SHDRV12W64P254_6X2_2284X880H880 [mm] "Header, Vertical Shrouded, 2.54 mm pitch; 0.64 mm lead width, 12 pins, 2 rows, 6 pins per row, 22.84 mm L X 8.80 mm W X 8.80 mm H body"
  rect 1.59x1.59 / inner round 1.59 / far side rect 1.59x1.59 hole 1.06 paste-1.59: 1(0,0)
  round 1.59 hole 1.06 paste-1.59: 2(0,2.54) 3(2.54,0) 4(2.54,2.54) 5(5.08,0) 6(5.08,2.54) 7(7.62,0) 8(7.62,2.54) 9(10.16,0) 10(10.16,2.54) 11(12.7,0) 12(12.7,2.54)
  silkscreen extent -5.07,-3.13 17.77,5.67, body extent -5.08,-3.19 17.78,6.09, height 8.89
SOT23-3P95_237X112L50X42N [mm] "Small Outline Transistor (SOT23), 0.95 mm pitch; 3 pin, 2.92 mm L X 1.30 mm W X 1.12 mm H body"
  rrect52% 0.62x1.25 smd paste+0 mask+0: 1(-0.95,-1) 2(0.95,-1) 3(0,1)
  silkscreen extent -1.52,-0.7 1.52,0.7, body extent -1.46,-1.18 1.46,1.18, height 1.12
SOT23-4P127_700X210L50X40N [mm] "Small Outline Transistor (SOT23), 1.27 mm pitch; 4 pin, 3.60 mm L X 4.40 mm W X 2.10 mm H body"
  rrect49% 0.61x1.26 smd paste+0 mask+0: 1(-1.27,-3.225) 2(1.27,-3.225) 3(1.27,3.225) 4(-1.27,3.225)
  silkscreen extent -1.9,-2.3 1.9,2.3, body extent -1.8,-3.5 1.8,3.5, height 2.1
SPBW06F-03 [mm] "MEANWELL SPBW06 SERIES ISOLATED DCDC CONVERTERS"
  rect 1.337x1.337 hole 0.78: 1(-10,0)
  round 1.337 hole 0.78: 2(-7.5,0) 3(-5,0) 5(0,0) 6(2.5,0) 7(5,0) 8(7.5,0)
  silkscreen extent -12.67,-5.7 9.8,3.91, body extent -12,-5.7 9.8,3.5, height 11.2
TE_5406295-1 [mil] "TE RJ45 RIGHT-ANGLE CONN"
  round 100 hole 64.96 paste-29.92: 0(-304.92,-120.12) 0(304.92,-120.12)
  round 0 hole 131.1 unplated paste-29.92: 0(-225,-0.04) 0(225,-0.04)
  round 70 hole 39.37 paste-29.92: 1(-175,249.96) 2(-125,349.96) 3(-75,249.96) 4(-25,349.96) 5(25,249.96) 6(75,349.96) 7(125,249.96)
  round 70 hole 39.37: 8(175,349.96)
  silkscreen extent -309,-427 309,420, body extent -348,-427 349,413, height 574
VISHAY_3920 [mm] "Resistor; 2 pin, 11.00 mm L X 6.20 mm W X 1.40 mm H body"
  rrect10% 2.7x6.2 smd paste+0 mask+0: 1(-4.15,0) 2(4.15,0)
  silkscreen extent -2.62,-3.1 2.62,3.1, body extent -5.45,-2.78 5.47,2.74, height 1.99
VISHAY_IHLP2020BZER100M01 [mil] "SMD INDUCTOR 5.18x5.18mm"
  rect 78x110 smd paste+0 mask+0: 1(-80,0) 2(80,0)
  silkscreen extent -118,-133 118,112, body extent -113,-107 113,107, height 80
WURTH_61300211121 [mm] "Header; 2 pin, 5.08 mm L X 2.54 mm W X 8.54 mm H body"
  rect 1.59x1.59 hole 1.06 paste-1.59: 1(0,0)
  round 1.59 hole 1.06 paste-1.59: 2(2.54,0)
  silkscreen extent -1.27,-1.27 3.81,1.27, body extent -1.27,-1.27 3.81,1.27, height 8.54
WURTH_61300611121 [mm] "Header; 6 pin"
  rect 1.59x1.59 hole 1.06 paste-1.59: 1(0,0)
  round 1.59 hole 1.06 paste-1.59: 2(2.54,0) 3(5.08,0) 4(7.62,0) 5(10.16,0) 6(12.7,0)
  silkscreen extent -1.27,-1.27 13.97,1.27, body extent -1.27,-1.27 13.97,1.27, height 8.57
WURTH_S98630 [mm] "Connector, DB Vertical Plug; 16 pin, 12.92 mm L X 12.40 mm W X 28.50 mm H body"
  round 3.2 hole 1.9 paste-2.85: 1(-5.6,5.6) 2(-2.8,5.6) 3(0,5.6) 4(2.8,5.6) 5(5.6,5.6) 6(5.6,2.8) 7(5.6,0) 8(5.6,-2.8) 9(5.6,-5.6) 10(2.8,-5.6) 11(0,-5.6) 12(-2.8,-5.6) 13(-5.6,-5.6) 14(-5.6,-2.8) 15(-5.6,0) 16(-5.6,2.8)
  silkscreen extent -7.84,-7.85 7.94,7.86, body extent -6.46,-6.2 6.46,6.2, height 25.4
